# Altium PCB PCB.PcbDoc (part 9 of 11) (continued)
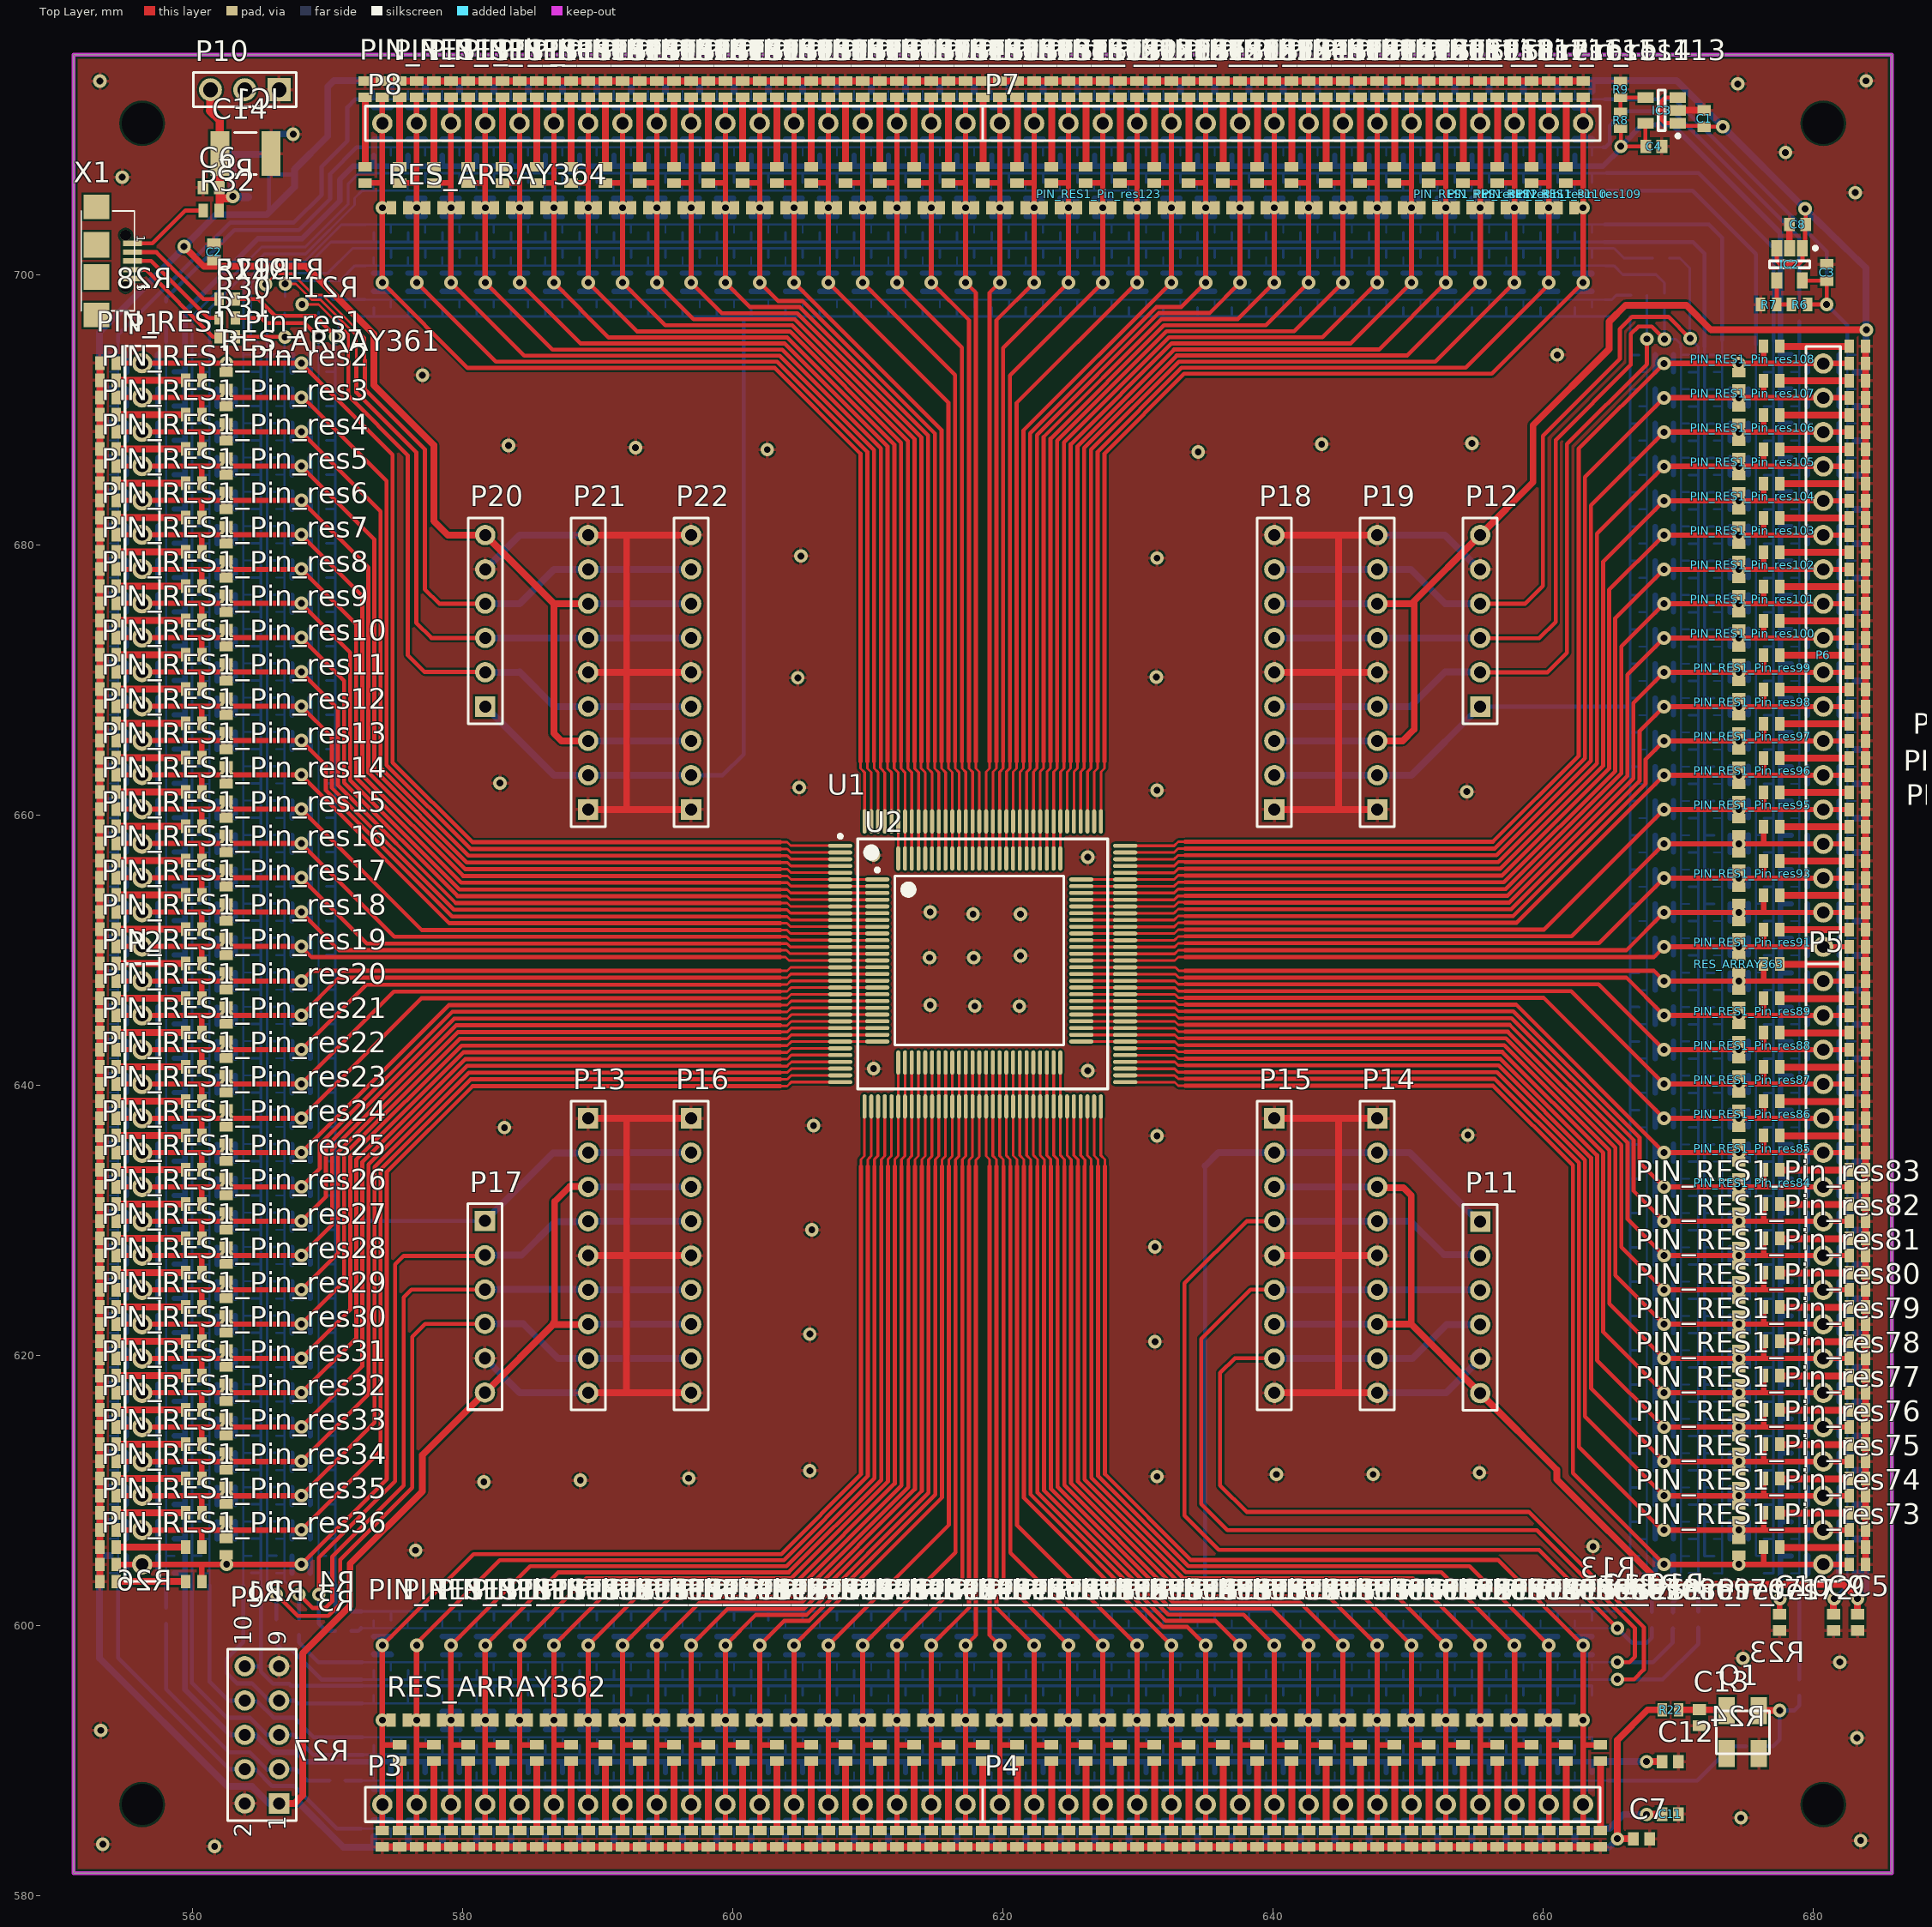
[diagram p0: Top Layer view]
## Nets (pads, with @x,y where several pads share a name; then routed paths per layer and width w, separated by ;. In a path a pad name is that pad's centre, name@x,y a point inside that pad or via, vN(x,y) a via of type N, cw(c..) or ccw(c..) an arc to the next point about the centre after c; other vN are vias at no path point) (continued)
P93: P6.3 PIN_RES1_Pin_res93.14 RES_ARRAY363.21 U1.93 U2.65 | length 72.9
  Top Layer w0.2: U2.65@625.786,650.224 625.79,650.22 U1.93@629.04,650.22 632.694,650.22 632.968,650.494 633.476,650.494
  Top Layer w0.3: 633.476,650.51 664.124,650.51 v1(668.934,655.32)
  Top Layer w0.4: v1(668.934,655.32) v1(674.472,655.32) 676.275,655.32 ; PIN_RES1_Pin_res93.14@676.31,656.59 676.31,655.355 676.275,655.32 ; PIN_RES1_Pin_res93.14@682.66,655.32 P6.3@680.72,655.32 676.275,655.32
  Bottom Layer w0.4: PIN_RES1_Pin_res93.14@668.29,654.685 668.29,655.32 ; PIN_RES1_Pin_res93.14@668.29,655.955 668.29,655.32 ; PIN_RES1_Pin_res93.14@669.63,654.71 669.63,655.32 ; PIN_RES1_Pin_res93.14@669.63,655.98 669.63,655.32 ; PIN_RES1_Pin_res93.14@673.827,654.685 673.827,655.32 ; PIN_RES1_Pin_res93.14@673.827,655.955 673.827,655.32 ; PIN_RES1_Pin_res93.14@675.167,654.71 675.167,655.32 ; PIN_RES1_Pin_res93.14@675.167,655.98 675.167,655.32 ; PIN_RES1_Pin_res93.14@679.542,654.685 679.542,655.32 ; PIN_RES1_Pin_res93.14@679.542,655.955 679.542,655.32 ; PIN_RES1_Pin_res93.14@681.898,654.685 681.898,655.32 ; PIN_RES1_Pin_res93.14@681.898,655.955 681.898,655.32 ; 668.29,655.32 v1(668.934,655.32) 669.63,655.32 ; 673.827,655.32 v1(674.472,655.32) 675.167,655.32 ; 679.542,655.32 P6.3@680.72,655.32 681.898,655.32
P94: P6.4 PIN_RES1_Pin_res94.14 RES_ARRAY363.22 U1.94 U2.66 | length 73.8
  Top Layer w0.2: U2.66@625.786,650.724 625.79,650.72 U1.94@629.04,650.72 632.686,650.72 632.968,651.002 633.476,651.002
  Top Layer w0.3: 633.476,651.018 662.092,651.018 v1(668.934,657.86)
  Top Layer w0.4: v1(668.934,657.86) v1(674.472,657.86) 676.275,657.86 ; PIN_RES1_Pin_res94.14@676.31,659.13 676.31,657.895 676.275,657.86 ; PIN_RES1_Pin_res94.14@682.66,657.86 P6.4@680.72,657.86 676.275,657.86
  Bottom Layer w0.4: PIN_RES1_Pin_res94.14@668.29,657.225 668.29,657.86 ; PIN_RES1_Pin_res94.14@668.29,658.495 668.29,657.86 ; PIN_RES1_Pin_res94.14@669.63,657.25 669.63,657.86 ; PIN_RES1_Pin_res94.14@669.63,658.52 669.63,657.86 ; PIN_RES1_Pin_res94.14@673.827,657.225 673.827,657.86 ; PIN_RES1_Pin_res94.14@673.827,658.495 673.827,657.86 ; PIN_RES1_Pin_res94.14@675.167,657.25 675.167,657.86 ; PIN_RES1_Pin_res94.14@675.167,658.52 675.167,657.86 ; PIN_RES1_Pin_res94.14@679.542,657.225 679.542,657.86 ; PIN_RES1_Pin_res94.14@679.542,658.495 679.542,657.86 ; PIN_RES1_Pin_res94.14@681.898,657.225 681.898,657.86 ; PIN_RES1_Pin_res94.14@681.898,658.495 681.898,657.86 ; 668.29,657.86 v1(668.934,657.86) 669.63,657.86 ; 673.827,657.86 v1(674.472,657.86) 675.167,657.86 ; 679.542,657.86 P6.4@680.72,657.86 681.898,657.86
P95: P6.5 PIN_RES1_Pin_res95.14 RES_ARRAY363.23 U1.95 U2.67 | length 74.6
  Top Layer w0.2: U2.67@625.786,651.224 625.79,651.22 U1.95@629.04,651.22 632.678,651.22 632.968,651.51 633.476,651.51
  Top Layer w0.3: 633.476,651.51 660.044,651.51 v1(668.934,660.4)
  Top Layer w0.4: v1(668.934,660.4) v1(674.472,660.4) 676.275,660.4 ; PIN_RES1_Pin_res95.14@676.31,661.67 676.31,660.435 676.275,660.4 ; PIN_RES1_Pin_res95.14@682.66,660.4 P6.5@680.72,660.4 676.275,660.4
  Bottom Layer w0.4: PIN_RES1_Pin_res95.14@668.29,659.765 668.29,660.4 ; PIN_RES1_Pin_res95.14@668.29,661.035 668.29,660.4 ; PIN_RES1_Pin_res95.14@669.63,659.79 669.63,660.4 ; PIN_RES1_Pin_res95.14@669.63,661.06 669.63,660.4 ; PIN_RES1_Pin_res95.14@673.827,659.765 673.827,660.4 ; PIN_RES1_Pin_res95.14@673.827,661.035 673.827,660.4 ; PIN_RES1_Pin_res95.14@675.167,659.79 675.167,660.4 ; PIN_RES1_Pin_res95.14@675.167,661.06 675.167,660.4 ; PIN_RES1_Pin_res95.14@679.542,659.765 679.542,660.4 ; PIN_RES1_Pin_res95.14@679.542,661.035 679.542,660.4 ; PIN_RES1_Pin_res95.14@681.898,659.765 681.898,660.4 ; PIN_RES1_Pin_res95.14@681.898,661.035 681.898,660.4 ; 668.29,660.4 v1(668.934,660.4) 669.63,660.4 ; 673.827,660.4 v1(674.472,660.4) 675.167,660.4 ; 679.542,660.4 P6.5@680.72,660.4 681.898,660.4
P96: P6.6 PIN_RES1_Pin_res96.14 RES_ARRAY363.24 U1.96 U2.68 | length 75.5
  Top Layer w0.2: U2.68@625.786,651.724 625.79,651.72 U1.96@629.04,651.72 632.67,651.72 632.968,652.018 633.476,652.018
  Top Layer w0.3: 633.476,652.018 658.012,652.018 v1(668.934,662.94)
  Top Layer w0.4: v1(668.934,662.94) v1(674.472,662.94) 676.275,662.94 ; PIN_RES1_Pin_res96.14@676.31,664.21 676.31,662.975 676.275,662.94 ; PIN_RES1_Pin_res96.14@682.66,662.94 P6.6@680.72,662.94 676.275,662.94
  Bottom Layer w0.4: PIN_RES1_Pin_res96.14@668.29,662.305 668.29,662.94 ; PIN_RES1_Pin_res96.14@668.29,663.575 668.29,662.94 ; PIN_RES1_Pin_res96.14@669.63,662.33 669.63,662.94 ; PIN_RES1_Pin_res96.14@669.63,663.6 669.63,662.94 ; PIN_RES1_Pin_res96.14@673.827,662.305 673.827,662.94 ; PIN_RES1_Pin_res96.14@673.827,663.575 673.827,662.94 ; PIN_RES1_Pin_res96.14@675.167,662.33 675.167,662.94 ; PIN_RES1_Pin_res96.14@675.167,663.6 675.167,662.94 ; PIN_RES1_Pin_res96.14@679.542,662.305 679.542,662.94 ; PIN_RES1_Pin_res96.14@679.542,663.575 679.542,662.94 ; PIN_RES1_Pin_res96.14@681.898,662.305 681.898,662.94 ; PIN_RES1_Pin_res96.14@681.898,663.575 681.898,662.94 ; 668.29,662.94 v1(668.934,662.94) 669.63,662.94 ; 673.827,662.94 v1(674.472,662.94) 675.167,662.94 ; 679.542,662.94 P6.6@680.72,662.94 681.898,662.94
P97: P6.7 PIN_RES1_Pin_res97.14 RES_ARRAY363.25 U1.97 U2.69 | length 77.4
  Top Layer w0.2: U2.69@625.786,652.224 625.79,652.22 U1.97@629.04,652.22 632.662,652.22 632.968,652.526 633.476,652.526
  Top Layer w0.3: 633.476,652.51 657.758,652.51 667.567,662.319 667.567,664.113 v1(668.934,665.48)
  Top Layer w0.4: v1(668.934,665.48) v1(674.472,665.48) 676.275,665.48 ; PIN_RES1_Pin_res97.14@676.31,666.75 676.31,665.515 676.275,665.48 ; PIN_RES1_Pin_res97.14@682.66,665.48 P6.7@680.72,665.48 676.275,665.48
  Bottom Layer w0.4: PIN_RES1_Pin_res97.14@668.29,664.845 668.29,665.48 ; PIN_RES1_Pin_res97.14@668.29,666.115 668.29,665.48 ; PIN_RES1_Pin_res97.14@669.63,664.87 669.63,665.48 ; PIN_RES1_Pin_res97.14@669.63,666.14 669.63,665.48 ; PIN_RES1_Pin_res97.14@673.827,664.845 673.827,665.48 ; PIN_RES1_Pin_res97.14@673.827,666.115 673.827,665.48 ; PIN_RES1_Pin_res97.14@675.167,664.87 675.167,665.48 ; PIN_RES1_Pin_res97.14@675.167,666.14 675.167,665.48 ; PIN_RES1_Pin_res97.14@679.542,664.845 679.542,665.48 ; PIN_RES1_Pin_res97.14@679.542,666.115 679.542,665.48 ; PIN_RES1_Pin_res97.14@681.898,664.845 681.898,665.48 ; PIN_RES1_Pin_res97.14@681.898,666.115 681.898,665.48 ; 668.29,665.48 v1(668.934,665.48) 669.63,665.48 ; 673.827,665.48 v1(674.472,665.48) 675.167,665.48 ; 679.542,665.48 P6.7@680.72,665.48 681.898,665.48
P98: P6.8 PIN_RES1_Pin_res98.14 RES_ARRAY363.26 U1.98 U2.70 | length 79.3
  Top Layer w0.2: U2.70@625.786,652.724 625.79,652.72 U1.98@629.04,652.72 632.654,652.72 632.968,653.034 633.476,653.034
  Top Layer w0.3: 633.476,653.018 657.629,653.018 667.117,662.506 667.117,666.203 v1(668.934,668.02)
  Top Layer w0.4: v1(668.934,668.02) v1(674.472,668.02) 676.275,668.02 ; PIN_RES1_Pin_res98.14@676.31,669.29 676.31,668.055 676.275,668.02 ; PIN_RES1_Pin_res98.14@682.66,668.02 P6.8@680.72,668.02 676.275,668.02
  Bottom Layer w0.4: PIN_RES1_Pin_res98.14@668.29,667.385 668.29,668.02 ; PIN_RES1_Pin_res98.14@668.29,668.655 668.29,668.02 ; PIN_RES1_Pin_res98.14@669.63,667.41 669.63,668.02 ; PIN_RES1_Pin_res98.14@669.63,668.68 669.63,668.02 ; PIN_RES1_Pin_res98.14@673.827,667.385 673.827,668.02 ; PIN_RES1_Pin_res98.14@673.827,668.655 673.827,668.02 ; PIN_RES1_Pin_res98.14@675.167,667.41 675.167,668.02 ; PIN_RES1_Pin_res98.14@675.167,668.68 675.167,668.02 ; PIN_RES1_Pin_res98.14@679.542,667.385 679.542,668.02 ; PIN_RES1_Pin_res98.14@679.542,668.655 679.542,668.02 ; PIN_RES1_Pin_res98.14@681.898,667.385 681.898,668.02 ; PIN_RES1_Pin_res98.14@681.898,668.655 681.898,668.02 ; 668.29,668.02 v1(668.934,668.02) 669.63,668.02 ; 673.827,668.02 v1(674.472,668.02) 675.167,668.02 ; 679.542,668.02 P6.8@680.72,668.02 681.898,668.02
P99: P6.9 PIN_RES1_Pin_res99.14 RES_ARRAY363.27 U1.99 U2.71 | length 81.3
  Top Layer w0.2: U2.71@625.786,653.224 625.79,653.22 U1.99@629.04,653.22 632.658,653.22 632.98,653.542 633.476,653.542
  Top Layer w0.3: 633.476,653.51 657.485,653.51 666.667,662.692 666.667,668.293 v1(668.934,670.56)
  Top Layer w0.4: v1(668.934,670.56) v1(674.472,670.56) 676.275,670.56 ; PIN_RES1_Pin_res99.14@676.31,671.83 676.31,670.595 676.275,670.56 ; PIN_RES1_Pin_res99.14@682.66,670.56 P6.9@680.72,670.56 676.275,670.56
  Bottom Layer w0.4: PIN_RES1_Pin_res99.14@668.29,669.925 668.29,670.56 ; PIN_RES1_Pin_res99.14@668.29,671.195 668.29,670.56 ; PIN_RES1_Pin_res99.14@669.63,669.95 669.63,670.56 ; PIN_RES1_Pin_res99.14@669.63,671.22 669.63,670.56 ; PIN_RES1_Pin_res99.14@673.827,669.925 673.827,670.56 ; PIN_RES1_Pin_res99.14@673.827,671.195 673.827,670.56 ; PIN_RES1_Pin_res99.14@675.167,669.95 675.167,670.56 ; PIN_RES1_Pin_res99.14@675.167,671.22 675.167,670.56 ; PIN_RES1_Pin_res99.14@679.542,669.925 679.542,670.56 ; PIN_RES1_Pin_res99.14@679.542,671.195 679.542,670.56 ; PIN_RES1_Pin_res99.14@681.898,669.925 681.898,670.56 ; PIN_RES1_Pin_res99.14@681.898,671.195 681.898,670.56 ; 668.29,670.56 v1(668.934,670.56) 669.63,670.56 ; 673.827,670.56 v1(674.472,670.56) 675.167,670.56 ; 679.542,670.56 P6.9@680.72,670.56 681.898,670.56
P100: P6.10 PIN_RES1_Pin_res100.14 RES_ARRAY363.28 U1.100 U2.72 | length 83.2
  Top Layer w0.2: U2.72@625.786,653.724 625.79,653.72 U1.100@629.04,653.72 632.663,653.72 632.945,654.002 633.476,654.002
  Top Layer w0.3: 633.476,654.018 657.357,654.018 666.217,662.878 666.217,670.383 v1(668.934,673.1)
  Top Layer w0.4: v1(668.934,673.1) v1(674.472,673.1) 676.275,673.1 ; PIN_RES1_Pin_res100.14@676.31,674.37 676.31,673.135 676.275,673.1 ; PIN_RES1_Pin_res100.14@682.66,673.1 P6.10@680.72,673.1 676.275,673.1
  Bottom Layer w0.4: PIN_RES1_Pin_res100.14@668.29,672.465 668.29,673.1 ; PIN_RES1_Pin_res100.14@668.29,673.735 668.29,673.1 ; PIN_RES1_Pin_res100.14@669.63,672.49 669.63,673.1 ; PIN_RES1_Pin_res100.14@669.63,673.76 669.63,673.1 ; PIN_RES1_Pin_res100.14@673.827,672.465 673.827,673.1 ; PIN_RES1_Pin_res100.14@673.827,673.735 673.827,673.1 ; PIN_RES1_Pin_res100.14@675.167,672.49 675.167,673.1 ; PIN_RES1_Pin_res100.14@675.167,673.76 675.167,673.1 ; PIN_RES1_Pin_res100.14@679.542,672.465 679.542,673.1 ; PIN_RES1_Pin_res100.14@679.542,673.735 679.542,673.1 ; PIN_RES1_Pin_res100.14@681.898,672.465 681.898,673.1 ; PIN_RES1_Pin_res100.14@681.898,673.735 681.898,673.1 ; 668.29,673.1 v1(668.934,673.1) 669.63,673.1 ; 673.827,673.1 v1(674.472,673.1) 675.167,673.1 ; 679.542,673.1 P6.10@680.72,673.1 681.898,673.1
P101: P6.11 PIN_RES1_Pin_res101.14 RES_ARRAY363.29 U1.101 U2.73 | length 85.2
  Top Layer w0.2: U2.73@625.786,654.224 625.79,654.22 U1.101@629.04,654.22 632.668,654.22 632.958,654.51 633.476,654.51
  Top Layer w0.3: 633.476,654.51 657.212,654.51 665.767,663.065 665.767,672.473 v1(668.934,675.64)
  Top Layer w0.4: v1(668.934,675.64) v1(674.472,675.64) 676.275,675.64 ; PIN_RES1_Pin_res101.14@676.31,676.91 676.31,675.675 676.275,675.64 ; PIN_RES1_Pin_res101.14@682.66,675.64 P6.11@680.72,675.64 676.275,675.64
  Bottom Layer w0.4: PIN_RES1_Pin_res101.14@668.29,675.005 668.29,675.64 ; PIN_RES1_Pin_res101.14@668.29,676.275 668.29,675.64 ; PIN_RES1_Pin_res101.14@669.63,675.03 669.63,675.64 ; PIN_RES1_Pin_res101.14@669.63,676.3 669.63,675.64 ; PIN_RES1_Pin_res101.14@673.827,675.005 673.827,675.64 ; PIN_RES1_Pin_res101.14@673.827,676.275 673.827,675.64 ; PIN_RES1_Pin_res101.14@675.167,675.03 675.167,675.64 ; PIN_RES1_Pin_res101.14@675.167,676.3 675.167,675.64 ; PIN_RES1_Pin_res101.14@679.542,675.005 679.542,675.64 ; PIN_RES1_Pin_res101.14@679.542,676.275 679.542,675.64 ; PIN_RES1_Pin_res101.14@681.898,675.005 681.898,675.64 ; PIN_RES1_Pin_res101.14@681.898,676.275 681.898,675.64 ; 668.29,675.64 v1(668.934,675.64) 669.63,675.64 ; 673.827,675.64 v1(674.472,675.64) 675.167,675.64 ; 679.542,675.64 P6.11@680.72,675.64 681.898,675.64
P102: P6.12 PIN_RES1_Pin_res102.14 RES_ARRAY363.30 U1.102 U2.74 | length 87.2
  Top Layer w0.2: U2.74@625.786,654.724 625.79,654.72 U1.102@629.04,654.72 632.67,654.72 632.968,655.018 633.476,655.018
  Top Layer w0.3: 633.476,655.018 657.084,655.018 665.317,663.251 665.317,674.563 v1(668.934,678.18)
  Top Layer w0.4: v1(668.934,678.18) v1(674.472,678.18) 676.275,678.18 ; PIN_RES1_Pin_res102.14@676.31,679.45 676.31,678.215 676.275,678.18 ; PIN_RES1_Pin_res102.14@682.66,678.18 P6.12@680.72,678.18 676.275,678.18
  Bottom Layer w0.4: PIN_RES1_Pin_res102.14@668.29,677.545 668.29,678.18 ; PIN_RES1_Pin_res102.14@668.29,678.815 668.29,678.18 ; PIN_RES1_Pin_res102.14@669.63,677.57 669.63,678.18 ; PIN_RES1_Pin_res102.14@669.63,678.84 669.63,678.18 ; PIN_RES1_Pin_res102.14@673.827,677.545 673.827,678.18 ; PIN_RES1_Pin_res102.14@673.827,678.815 673.827,678.18 ; PIN_RES1_Pin_res102.14@675.167,677.57 675.167,678.18 ; PIN_RES1_Pin_res102.14@675.167,678.84 675.167,678.18 ; PIN_RES1_Pin_res102.14@679.542,677.545 679.542,678.18 ; PIN_RES1_Pin_res102.14@679.542,678.815 679.542,678.18 ; PIN_RES1_Pin_res102.14@681.898,677.545 681.898,678.18 ; PIN_RES1_Pin_res102.14@681.898,678.815 681.898,678.18 ; 668.29,678.18 v1(668.934,678.18) 669.63,678.18 ; 673.827,678.18 v1(674.472,678.18) 675.167,678.18 ; 679.542,678.18 P6.12@680.72,678.18 681.898,678.18
P103: P6.13 PIN_RES1_Pin_res103.14 RES_ARRAY363.31 U1.103 U2.75 | length 89.1
  Top Layer w0.2: U2.75@625.786,655.224 625.79,655.22 U1.103@629.04,655.22 632.662,655.22 632.968,655.526 633.476,655.526
  Top Layer w0.3: 633.476,655.51 656.939,655.51 664.867,663.438 664.867,676.653 v1(668.934,680.72)
  Top Layer w0.4: v1(668.934,680.72) v1(674.472,680.72) 676.275,680.72 ; PIN_RES1_Pin_res103.14@676.31,681.99 676.31,680.755 676.275,680.72 ; PIN_RES1_Pin_res103.14@682.66,680.72 P6.13@680.72,680.72 676.275,680.72
  Bottom Layer w0.4: PIN_RES1_Pin_res103.14@668.29,680.085 668.29,680.72 ; PIN_RES1_Pin_res103.14@668.29,681.355 668.29,680.72 ; PIN_RES1_Pin_res103.14@669.63,680.11 669.63,680.72 ; PIN_RES1_Pin_res103.14@669.63,681.38 669.63,680.72 ; PIN_RES1_Pin_res103.14@673.827,680.085 673.827,680.72 ; PIN_RES1_Pin_res103.14@673.827,681.355 673.827,680.72 ; PIN_RES1_Pin_res103.14@675.167,680.11 675.167,680.72 ; PIN_RES1_Pin_res103.14@675.167,681.38 675.167,680.72 ; PIN_RES1_Pin_res103.14@679.542,680.085 679.542,680.72 ; PIN_RES1_Pin_res103.14@679.542,681.355 679.542,680.72 ; PIN_RES1_Pin_res103.14@681.898,680.085 681.898,680.72 ; PIN_RES1_Pin_res103.14@681.898,681.355 681.898,680.72 ; 668.29,680.72 v1(668.934,680.72) 669.63,680.72 ; 673.827,680.72 v1(674.472,680.72) 675.167,680.72 ; 679.542,680.72 P6.13@680.72,680.72 681.898,680.72
P104: P6.14 PIN_RES1_Pin_res104.14 RES_ARRAY363.32 U1.104 | length 87.8
  Top Layer w0.2: U1.104@629.04,655.72 632.656,655.72 632.97,656.034 633.476,656.034
  Top Layer w0.3: 633.476,656.018 656.811,656.018 664.417,663.624 664.417,678.743 v1(668.934,683.26)
  Top Layer w0.4: v1(668.934,683.26) v1(674.472,683.26) 676.275,683.26 ; PIN_RES1_Pin_res104.14@676.31,684.53 676.31,683.295 676.275,683.26 ; PIN_RES1_Pin_res104.14@682.66,683.26 P6.14@680.72,683.26 676.275,683.26
  Bottom Layer w0.4: PIN_RES1_Pin_res104.14@668.29,682.625 668.29,683.26 ; PIN_RES1_Pin_res104.14@668.29,683.895 668.29,683.26 ; PIN_RES1_Pin_res104.14@669.63,682.65 669.63,683.26 ; PIN_RES1_Pin_res104.14@669.63,683.92 669.63,683.26 ; PIN_RES1_Pin_res104.14@673.827,682.625 673.827,683.26 ; PIN_RES1_Pin_res104.14@673.827,683.895 673.827,683.26 ; PIN_RES1_Pin_res104.14@675.167,682.65 675.167,683.26 ; PIN_RES1_Pin_res104.14@675.167,683.92 675.167,683.26 ; PIN_RES1_Pin_res104.14@679.542,682.625 679.542,683.26 ; PIN_RES1_Pin_res104.14@679.542,683.895 679.542,683.26 ; PIN_RES1_Pin_res104.14@681.898,682.625 681.898,683.26 ; PIN_RES1_Pin_res104.14@681.898,683.895 681.898,683.26 ; 668.29,683.26 v1(668.934,683.26) 669.63,683.26 ; 673.827,683.26 v1(674.472,683.26) 675.167,683.26 ; 679.542,683.26 P6.14@680.72,683.26 681.898,683.26
P105: P6.15 PIN_RES1_Pin_res105.14 RES_ARRAY363.33 U1.105 | length 89.8
  Top Layer w0.2: U1.105@629.04,656.22 632.661,656.22 632.983,656.542 633.476,656.542
  Top Layer w0.3: 633.476,656.51 656.667,656.51 663.967,663.81 663.967,680.833 v1(668.934,685.8)
  Top Layer w0.4: v1(668.934,685.8) v1(674.472,685.8) 676.275,685.8 ; PIN_RES1_Pin_res105.14@676.31,687.07 676.31,685.835 676.275,685.8 ; PIN_RES1_Pin_res105.14@682.66,685.8 P6.15@680.72,685.8 676.275,685.8
  Bottom Layer w0.4: PIN_RES1_Pin_res105.14@668.29,685.165 668.29,685.8 ; PIN_RES1_Pin_res105.14@668.29,686.435 668.29,685.8 ; PIN_RES1_Pin_res105.14@669.63,685.19 669.63,685.8 ; PIN_RES1_Pin_res105.14@669.63,686.46 669.63,685.8 ; PIN_RES1_Pin_res105.14@673.827,685.165 673.827,685.8 ; PIN_RES1_Pin_res105.14@673.827,686.435 673.827,685.8 ; PIN_RES1_Pin_res105.14@675.167,685.19 675.167,685.8 ; PIN_RES1_Pin_res105.14@675.167,686.46 675.167,685.8 ; PIN_RES1_Pin_res105.14@679.542,685.165 679.542,685.8 ; PIN_RES1_Pin_res105.14@679.542,686.435 679.542,685.8 ; PIN_RES1_Pin_res105.14@681.898,685.165 681.898,685.8 ; PIN_RES1_Pin_res105.14@681.898,686.435 681.898,685.8 ; 668.29,685.8 v1(668.934,685.8) 669.63,685.8 ; 673.827,685.8 v1(674.472,685.8) 675.167,685.8 ; 679.542,685.8 P6.15@680.72,685.8 681.898,685.8
P106: P6.16 PIN_RES1_Pin_res106.14 RES_ARRAY363.34 U1.106 | length 91.7
  Top Layer w0.2: U1.106@629.04,656.72 632.666,656.72 632.948,657.002 633.476,657.002
  Top Layer w0.3: 633.476,657.018 656.538,657.018 663.517,663.997 663.517,682.923 v1(668.934,688.34)
  Top Layer w0.4: v1(668.934,688.34) v1(674.472,688.34) 676.275,688.34 ; PIN_RES1_Pin_res106.14@676.31,689.61 676.31,688.375 676.275,688.34 ; PIN_RES1_Pin_res106.14@682.66,688.34 P6.16@680.72,688.34 676.275,688.34
  Bottom Layer w0.4: PIN_RES1_Pin_res106.14@668.29,687.705 668.29,688.34 ; PIN_RES1_Pin_res106.14@668.29,688.975 668.29,688.34 ; PIN_RES1_Pin_res106.14@669.63,687.73 669.63,688.34 ; PIN_RES1_Pin_res106.14@669.63,689 669.63,688.34 ; PIN_RES1_Pin_res106.14@673.827,687.705 673.827,688.34 ; PIN_RES1_Pin_res106.14@673.827,688.975 673.827,688.34 ; PIN_RES1_Pin_res106.14@675.167,687.73 675.167,688.34 ; PIN_RES1_Pin_res106.14@675.167,689 675.167,688.34 ; PIN_RES1_Pin_res106.14@679.542,687.705 679.542,688.34 ; PIN_RES1_Pin_res106.14@679.542,688.975 679.542,688.34 ; PIN_RES1_Pin_res106.14@681.898,687.705 681.898,688.34 ; PIN_RES1_Pin_res106.14@681.898,688.975 681.898,688.34 ; 668.29,688.34 v1(668.934,688.34) 669.63,688.34 ; 673.827,688.34 v1(674.472,688.34) 675.167,688.34 ; 679.542,688.34 P6.16@680.72,688.34 681.898,688.34
P107: P6.17 PIN_RES1_Pin_res107.14 RES_ARRAY363.35 U1.107 | length 93.9
  Top Layer w0.2: U1.107@629.04,657.22 632.671,657.22 632.961,657.51 633.476,657.51
  Top Layer w0.3: 633.476,657.51 635.076,657.51 ; 635.254,657.51 635.076,657.51 ; v1(668.934,690.88) 663.067,685.013 663.067,664.183 656.394,657.51 635.076,657.51
  Top Layer w0.4: v1(668.934,690.88) v1(674.472,690.88) 676.275,690.88 ; PIN_RES1_Pin_res107.14@676.31,692.15 676.31,690.915 676.275,690.88 ; PIN_RES1_Pin_res107.14@682.66,690.88 P6.17@680.72,690.88 676.275,690.88
  Bottom Layer w0.4: PIN_RES1_Pin_res107.14@668.29,690.245 668.29,690.88 ; PIN_RES1_Pin_res107.14@668.29,691.515 668.29,690.88 ; PIN_RES1_Pin_res107.14@669.63,690.27 669.63,690.88 ; PIN_RES1_Pin_res107.14@669.63,691.54 669.63,690.88 ; PIN_RES1_Pin_res107.14@673.827,690.245 673.827,690.88 ; PIN_RES1_Pin_res107.14@673.827,691.515 673.827,690.88 ; PIN_RES1_Pin_res107.14@675.167,690.27 675.167,690.88 ; PIN_RES1_Pin_res107.14@675.167,691.54 675.167,690.88 ; PIN_RES1_Pin_res107.14@679.542,690.245 679.542,690.88 ; PIN_RES1_Pin_res107.14@679.542,691.515 679.542,690.88 ; PIN_RES1_Pin_res107.14@681.898,690.245 681.898,690.88 ; PIN_RES1_Pin_res107.14@681.898,691.515 681.898,690.88 ; 668.29,690.88 v1(668.934,690.88) 669.63,690.88 ; 673.827,690.88 v1(674.472,690.88) 675.167,690.88 ; 679.542,690.88 P6.17@680.72,690.88 681.898,690.88
P108: P6.18 PIN_RES1_Pin_res108.14 RES_ARRAY363.36 U1.108 | length 92.5
  Top Layer w0.2: U1.108@629.04,657.72 632.67,657.72 632.968,658.018 633.476,658.018
  Top Layer w0.3: 633.476,658.018 656.265,658.018 662.61,664.362 662.61,687.095 v1(668.934,693.42)
  Top Layer w0.4: v1(668.934,693.42) v1(674.472,693.42) ; RES_ARRAY363.36@674.472,692.74 v1(674.472,693.42) ; PIN_RES1_Pin_res108.14@676.31,694.69 676.31,693.455 676.275,693.42 ; PIN_RES1_Pin_res108.14@682.66,693.42 P6.18@680.72,693.42 676.275,693.42 ; v1(674.472,693.42) 676.275,693.42
  Bottom Layer w0.4: PIN_RES1_Pin_res108.14@668.29,692.785 668.29,693.42 ; PIN_RES1_Pin_res108.14@668.29,694.055 668.29,693.42 ; PIN_RES1_Pin_res108.14@669.63,692.81 669.63,693.42 ; PIN_RES1_Pin_res108.14@669.63,694.08 669.63,694.055 669.63,693.42 ; PIN_RES1_Pin_res108.14@679.542,692.785 679.542,693.42 ; PIN_RES1_Pin_res108.14@679.542,694.055 679.542,693.42 ; PIN_RES1_Pin_res108.14@681.898,692.785 681.898,693.42 ; PIN_RES1_Pin_res108.14@681.898,694.055 681.898,693.42 ; 668.29,693.42 v1(668.934,693.42) 669.579,693.42 669.63,693.42 ; 679.542,693.42 P6.18@680.72,693.42 681.898,693.42
P109: P7.1 PIN_RES1_Pin_res109.14 RES_ARRAY364.1 U1.109 | length 94.4
  Top Layer w0.2: U1.109@627.24,659.52 627.252,659.532 627.252,663.194 627.506,663.448 627.506,663.956
  Top Layer w0.3: 627.506,663.957 627.506,686.764 633.4,692.658 656.184,692.658 v1(662.94,699.414)
  Top Layer w0.4: PIN_RES1_Pin_res109.14@661.67,706.79 662.905,706.79 662.94,706.755 ; RES_ARRAY364.1@662.28,704.952 v1(662.94,704.952) ; v1(662.94,699.414) v1(662.94,704.952) ; PIN_RES1_Pin_res109.14@662.94,713.14 P7.1@662.94,711.2 662.94,706.755 ; v1(662.94,704.952) 662.94,706.755
  Bottom Layer w0.4: PIN_RES1_Pin_res109.14@662.305,700.11 662.94,700.11 ; PIN_RES1_Pin_res109.14@662.33,698.77 662.94,698.77 662.965,698.77 ; PIN_RES1_Pin_res109.14@662.33,700.059 662.94,700.059 ; v1(662.94,699.414) 662.94,700.059 ; PIN_RES1_Pin_res109.14@663.575,700.11 662.965,700.11 ; PIN_RES1_Pin_res109.14@663.6,698.77 PIN_RES1_Pin_res109.14@663.575,698.77 662.965,698.77 ; PIN_RES1_Pin_res109.14@663.6,700.059 PIN_RES1_Pin_res109.14@663.575,700.059 662.965,700.059 ; 662.94,700.059 662.94,700.11 ; 662.94,700.059 662.965,700.059 ; 662.94,700.11 662.965,700.11 ; 662.965,698.77 662.965,699.414 662.965,700.059 ; 662.965,700.059 662.965,700.11
  Bottom Layer w0.5: PIN_RES1_Pin_res109.14@662.33,710.022 PIN_RES1_Pin_res109.14@663.575,710.022 PIN_RES1_Pin_res109.14@663.6,710.022 ; PIN_RES1_Pin_res109.14@662.33,712.378 PIN_RES1_Pin_res109.14@663.575,712.378 PIN_RES1_Pin_res109.14@663.6,712.378 ; 662.965,710.057 662.965,711.2 662.965,712.343
P110: P7.2 PIN_RES1_Pin_res110.14 RES_ARRAY364.2 U1.110 | length 94.5
  Top Layer w0.2: U1.110@626.74,659.52 626.74,663.19 626.998,663.448 626.998,663.956
  Top Layer w0.3: 626.998,663.956 626.998,686.893 633.213,693.108 654.244,693.108 v1@660.5,699.365
  Top Layer w0.4: PIN_RES1_Pin_res110.14@659.13,706.79 660.365,706.79 660.4,706.755 ; v1(660.4,699.414) v1(660.4,704.952) 660.4,706.755 ; PIN_RES1_Pin_res110.14@660.4,713.14 P7.2@660.4,711.2 660.4,706.755
  Bottom Layer w0.4: PIN_RES1_Pin_res110.14@659.765,700.11 660.4,700.11 ; PIN_RES1_Pin_res110.14@659.765,705.647 660.4,705.647 660.425,705.647 ; PIN_RES1_Pin_res110.14@659.79,698.77 660.4,698.77 660.425,698.77 ; PIN_RES1_Pin_res110.14@659.79,704.307 660.4,704.307 660.425,704.307 ; PIN_RES1_Pin_res110.14@659.79,710.022 660.425,710.022 ; PIN_RES1_Pin_res110.14@659.79,712.378 660.425,712.378 ; v1(660.4,699.414) 660.4,700.059 660.4,700.11 ; PIN_RES1_Pin_res110.14@661.035,700.11 660.425,700.11 ; PIN_RES1_Pin_res110.14@661.035,705.647 660.425,705.647 ; PIN_RES1_Pin_res110.14@661.06,698.77 PIN_RES1_Pin_res110.14@661.035,698.77 660.425,698.77 ; PIN_RES1_Pin_res110.14@661.06,704.307 PIN_RES1_Pin_res110.14@661.035,704.307 660.425,704.307 ; PIN_RES1_Pin_res110.14@661.06,710.022 PIN_RES1_Pin_res110.14@661.035,710.022 660.425,710.022 ; PIN_RES1_Pin_res110.14@661.06,712.378 PIN_RES1_Pin_res110.14@661.035,712.378 660.425,712.378 ; 660.4,700.11 660.425,700.11 ; 660.425,698.77 660.425,699.414 660.425,700.059 660.425,700.11 ; 660.425,704.307 660.425,704.952 660.425,705.622 660.425,705.647 ; 660.425,710.022 660.425,711.2 660.425,712.378
P111: P7.3 PIN_RES1_Pin_res111.14 RES_ARRAY364.3 U1.111 | length 92.5
  Top Layer w0.2: U1.111@626.24,659.52 626.252,659.532 626.252,663.209 626.506,663.463 626.506,663.956
  Top Layer w0.3: 626.506,663.956 626.506,687.037 633.027,693.558 652.004,693.558 v1(657.86,699.414)
  Top Layer w0.4: PIN_RES1_Pin_res111.14@656.59,706.79 657.825,706.79 657.86,706.755 ; v1(657.86,699.414) v1(657.86,704.952) 657.86,706.755 ; PIN_RES1_Pin_res111.14@657.86,713.14 P7.3@657.86,711.2 657.86,706.755
  Bottom Layer w0.4: PIN_RES1_Pin_res111.14@657.225,700.11 657.86,700.11 ; PIN_RES1_Pin_res111.14@657.225,705.647 657.885,705.647 ; PIN_RES1_Pin_res111.14@657.25,698.77 657.885,698.77 ; PIN_RES1_Pin_res111.14@657.25,704.307 657.885,704.307 ; PIN_RES1_Pin_res111.14@657.25,710.022 657.885,710.022 ; PIN_RES1_Pin_res111.14@657.25,712.378 657.885,712.378 ; v1(657.86,699.414) 657.86,700.11 ; PIN_RES1_Pin_res111.14@658.495,700.11 657.885,700.11 ; PIN_RES1_Pin_res111.14@658.495,705.647 657.885,705.647 ; PIN_RES1_Pin_res111.14@658.52,698.77 PIN_RES1_Pin_res111.14@658.495,698.77 657.885,698.77 ; PIN_RES1_Pin_res111.14@658.52,704.307 PIN_RES1_Pin_res111.14@658.495,704.307 657.885,704.307 ; PIN_RES1_Pin_res111.14@658.52,710.022 PIN_RES1_Pin_res111.14@658.495,710.022 657.885,710.022 ; PIN_RES1_Pin_res111.14@658.52,712.378 PIN_RES1_Pin_res111.14@658.495,712.378 657.885,712.378 ; 657.86,700.11 657.885,700.11 ; 657.885,698.77 657.885,700.11 ; 657.885,704.307 657.885,705.647 ; 657.885,710.022 657.885,712.378
P112: P7.4 PIN_RES1_Pin_res112.14 RES_ARRAY364.4 U1.112 | length 90.5
  Top Layer w0.2: U1.112@625.74,659.52 625.74,663.192 625.998,663.45 625.998,663.956
  Top Layer w0.3: 625.998,663.956 625.998,687.165 632.841,694.008 649.914,694.008 v1(655.32,699.414)
  Top Layer w0.4: PIN_RES1_Pin_res112.14@654.05,706.79 655.285,706.79 655.32,706.755 ; v1(655.32,699.414) v1(655.32,704.952) 655.32,706.755 ; PIN_RES1_Pin_res112.14@655.32,713.14 P7.4@655.32,711.2 655.32,706.755
  Bottom Layer w0.4: PIN_RES1_Pin_res112.14@654.685,700.11 655.32,700.11 ; PIN_RES1_Pin_res112.14@654.685,705.647 655.345,705.647 ; PIN_RES1_Pin_res112.14@654.71,698.77 655.345,698.77 ; PIN_RES1_Pin_res112.14@654.71,704.307 655.345,704.307 ; PIN_RES1_Pin_res112.14@654.71,710.022 655.345,710.022 ; PIN_RES1_Pin_res112.14@654.71,712.378 655.345,712.378 ; v1(655.32,699.414) 655.32,700.11 ; PIN_RES1_Pin_res112.14@655.955,700.11 655.345,700.11 ; PIN_RES1_Pin_res112.14@655.955,705.647 655.345,705.647 ; PIN_RES1_Pin_res112.14@655.98,698.77 PIN_RES1_Pin_res112.14@655.955,698.77 655.345,698.77 ; PIN_RES1_Pin_res112.14@655.98,704.307 PIN_RES1_Pin_res112.14@655.955,704.307 655.345,704.307 ; PIN_RES1_Pin_res112.14@655.98,710.022 PIN_RES1_Pin_res112.14@655.955,710.022 655.345,710.022 ; PIN_RES1_Pin_res112.14@655.98,712.378 PIN_RES1_Pin_res112.14@655.955,712.378 655.345,712.378 ; 655.32,700.11 655.345,700.11 ; 655.345,698.77 655.345,700.11 ; 655.345,704.307 655.345,705.647 ; 655.345,710.022 655.345,712.378